# KiCad board AmigaPCI Mainboard.kicad_pcb (continued)
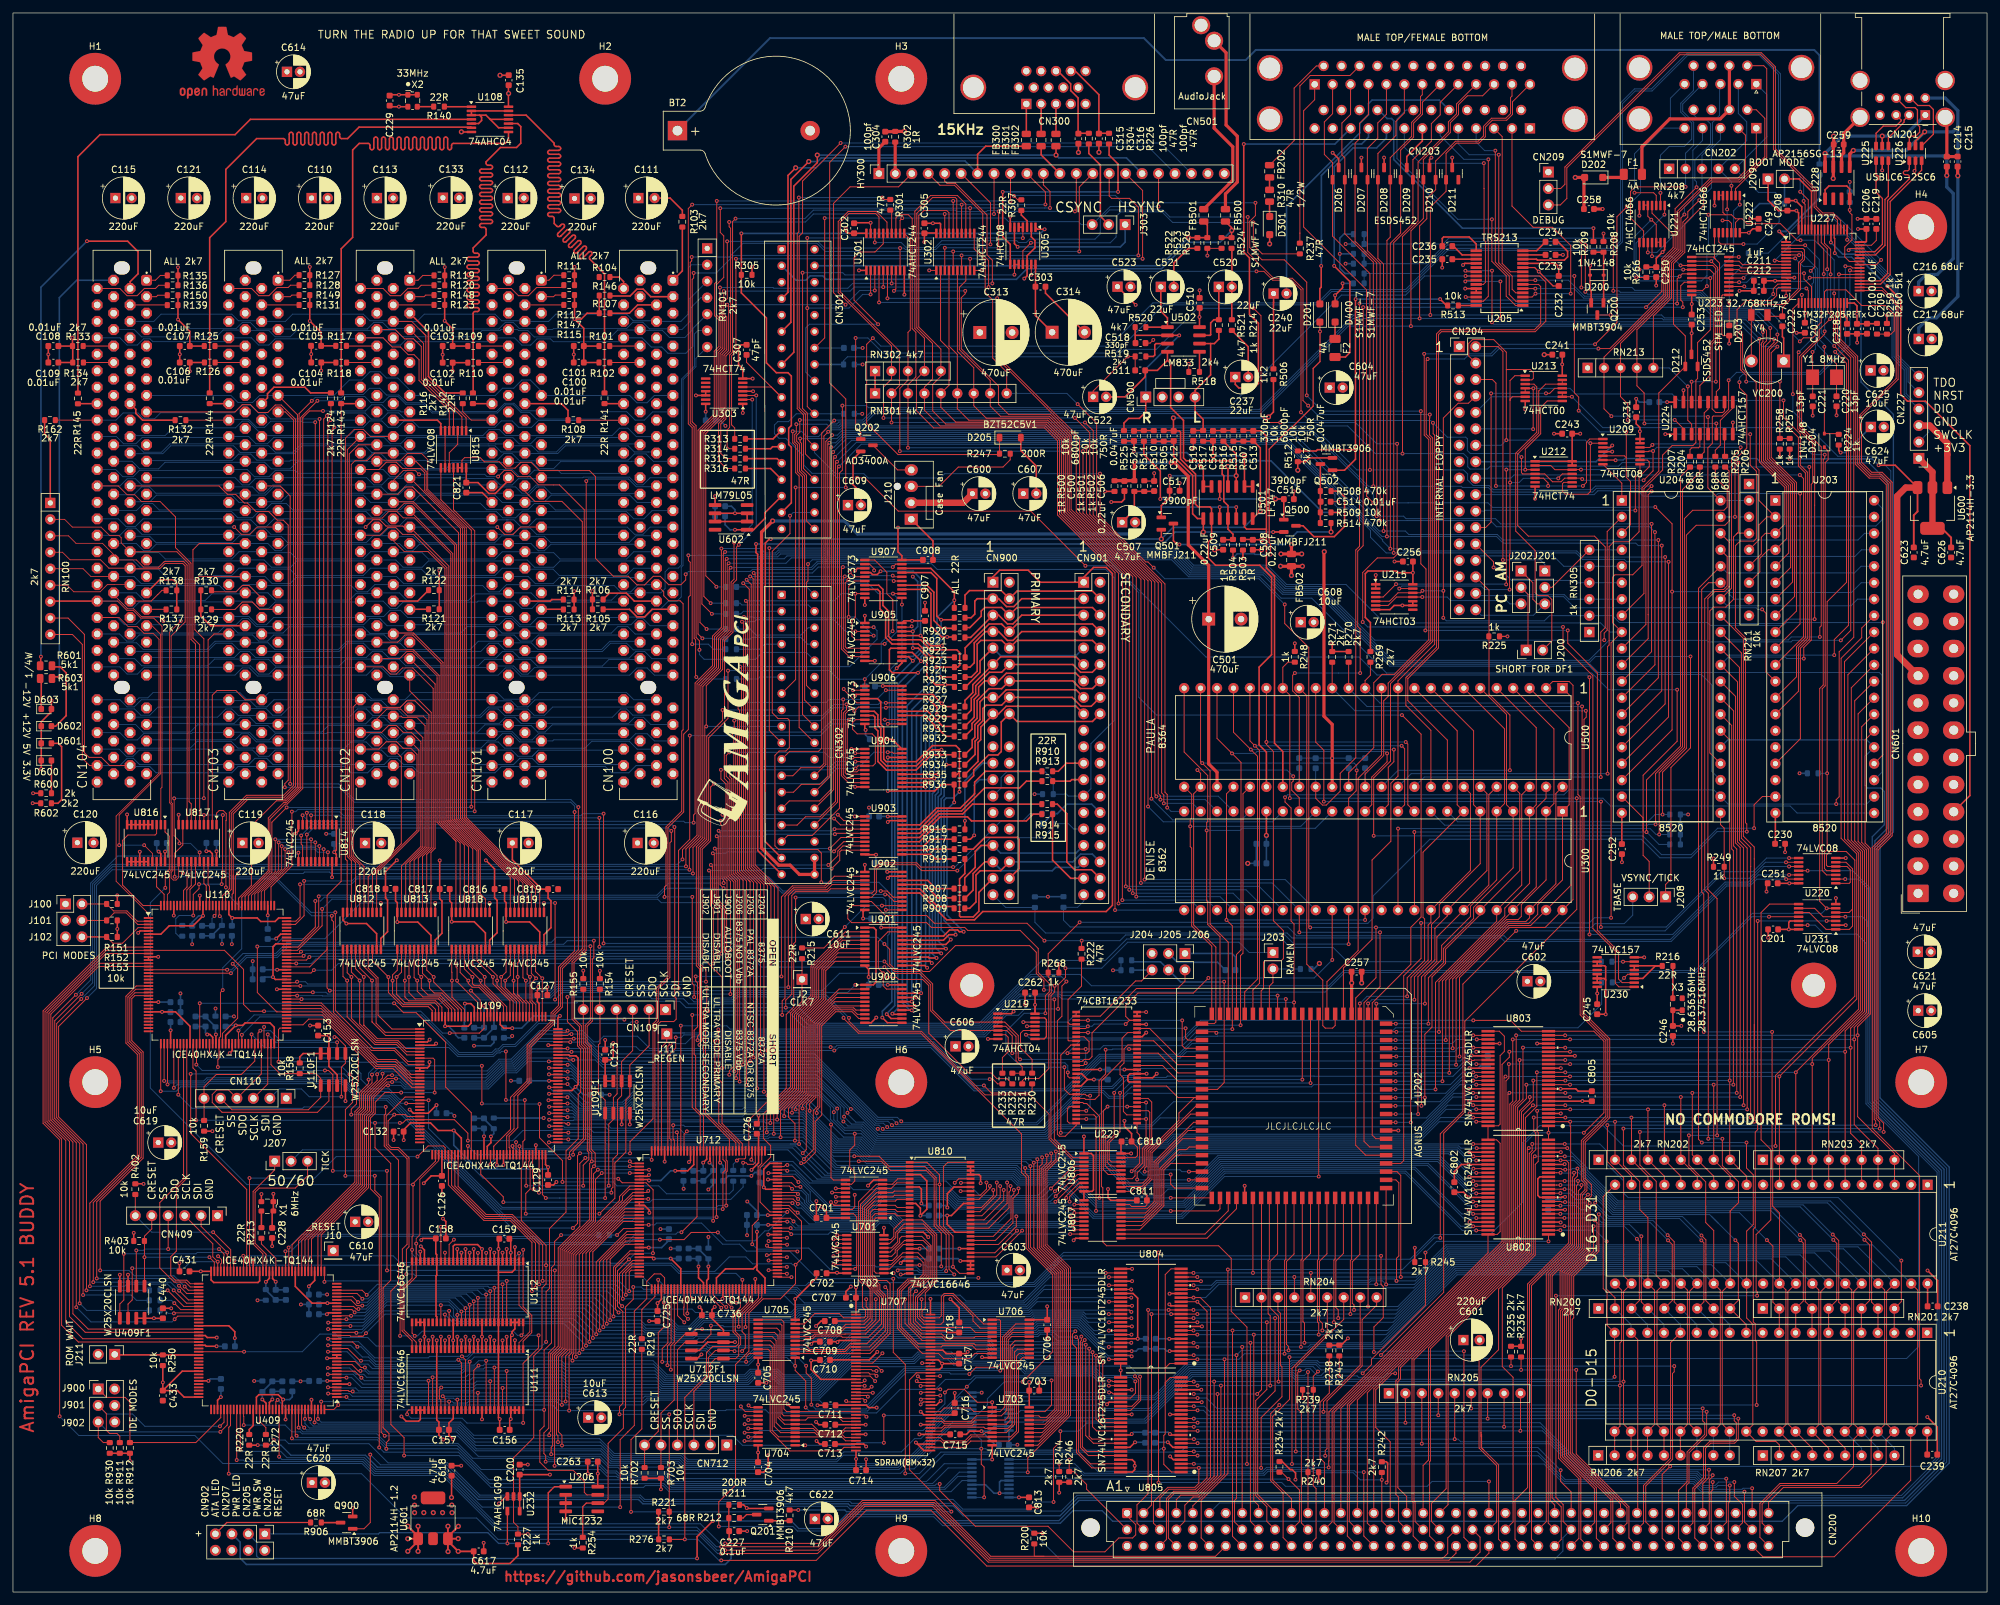
[diagram p0: board, top side]
## Routing (per net, layer and track width the routed paths; a pad name or vN(x,y) marks a point on that pad's centre or on a via; arc(x,y) is an arc through that point) (continued)
  Bottom w0.15: v1(183.62,128) 207.08,128 207.47,127.61 v1(207.47,126.87)
RGA5: length 86.7
  Top w0.15: U300.13 209.8,121.57 209.8,125.84 212.16,128.21 v1(212.16,129.5) ; U500.22 185.91,131.81 v1(188.22,129.5) 189.62,128.1 189.62,99.16 188.91,98.45 U202.29
  Bottom w0.15: v1(212.16,129.5) 211.88,129.79 192.07,129.79 191.78,129.5 188.22,129.5 v1(188.22,129.5)
RGA6: length 85.1
  Top w0.15: U500.21 188.45,132.77 v1(191.13,130.09) 192.15,129.06 192.15,94.64 190.18,92.67 U202.28 ; U300.12 212.35,121.58 212.35,127.36 213.21,128.22 v1(213.21,130.09)
  Bottom w0.15: v1(213.21,130.09) v1(191.13,130.09)
RGA7: length 84.7
  Top w0.15: U500.20 190.99,131.44 v1(191.75,130.68) 192.45,129.97 192.45,93.98 191.45,92.98 U202.27 ; U300.11 214.88,121.57 214.88,130.21 v1(214.41,130.68)
  Bottom w0.15: v1(214.41,130.68) v1(191.75,130.68)
RGA8: length 87.1
  Top w0.15: v1(215.05,131.26) 215.37,130.95 215.37,121.57 U300.10 ; U202.26 192.72,92.83 193.08,93.19 193.08,97.26 193.3,97.48 195.81,97.48 196.16,97.83 196.16,102.11 194.61,103.67 194.61,129.8 193.53,130.88 U500.19
  Bottom w0.15: v1(215.05,131.26) v1(193.53,131.26)
SIZ0: length 69.1
  Top w0.15: v1(208.57,18.52) 208.57,8.65 CN200.c16 ; R244.2 v1(161.54,19.82)
  Bottom w0.15: 153.79,19.81 161.54,19.81 v1(161.54,19.82) 163.93,19.82 165.4,18.34 193.06,18.34 193.66,18.95 200.83,18.95 201.06,18.72 207.13,18.72 207.33,18.52 v1(208.57,18.52)
SIZ1: length 90.4
  Top w0.15: R243.2 v1(204.78,33.38) ; v1(213.42,33.77) 212.96,33.77 210.41,31.23 210.41,25.43 212.65,23.19 CN200.a17
  Bottom w0.15: U808.18 159.06,26.25 159.06,26.25 159.22,26.4 174.81,26.4 182.02,33.62 197.58,33.62 198.04,33.15 202.32,33.15 202.55,33.38 v1(204.78,33.38) 207.55,33.38 207.77,33.15 211.58,33.15 212.2,33.77 v1(213.42,33.77)
TBASE: length 204.6
  Top w0.15: 251.69,117.53 251.69,119.56 U204.19 ; 251.69,117.53 251.69,113.76 252.63,112.82 J208.2 ; 251.69,117.53 251.69,126.12 256.95,131.38 v1(256.95,139.34) ; v1(122.75,158.74) 122.75,156.15 122.53,155.93 122.53,139.98 CN302.14
  Bottom w0.15: v1(256.95,139.34) 246.36,139.34 243.79,141.91 212.09,141.91 200.53,153.47 195.82,153.47 192.51,156.77 181.53,156.77 178.9,159.4 123.41,159.4 v1(122.75,158.74)
TICK50: length 19
  Top w0.15: U409.56 38.59,52.23 37.08,53.74 37.08,61.85 40.41,65.18 J207.1
TICK60: length 24.3
  Top w0.15: J207.3 45.49,64.27 43.6,62.38 38.03,62.38 37.38,61.73 37.38,53.86 39.09,52.15 U409.55
TM0: length 71.4
  Top w0.15: v1(199.95,33.98) CN200.a12
  Bottom w0.15: v1(199.95,33.98) 199.43,33.45 198.16,33.45 197.7,33.91 181.9,33.91 174.68,26.7 167.83,26.7 167.63,26.9 U808.17
TM1: length 78.9
  Top w0.15: v1(201.5,34.05) 200.77,33.32 200.77,16.41 201.2,15.98 201.2,8.36 CN200.c12
  Bottom w0.15: U808.14 167.65,28.85 168.15,28.35 175.48,28.35 181.65,34.51 197.44,34.51 197.74,34.81 200.73,34.81 v1(201.5,34.05)
TM2: length 77.2
  Top w0.15: CN200.a13 202.49,19.99 201.81,20.66 201.81,29.29 203.24,30.71 v1(203.24,35.41) R238.2
  Bottom w0.15: v1(203.24,35.41) 201.72,35.41 201.42,35.71 197.37,35.71 197.07,35.41 181.27,35.41 176.16,30.3 167.89,30.3 167.39,30.8 U808.11
TT0: length 123.3
  Top w0.15: v1(241.37,34.3) 241.37,21.31 249.51,13.17 249.51,8.35 CN200.c32 ; R236.2 v1(232.85,34.3)
  Bottom w0.15: v1(241.37,34.3) v1(232.85,34.3) 201.98,34.3 201.17,35.12 197.62,35.12 197.32,34.81 181.52,34.81 176.41,29.7 156.92,29.7 156.72,29.5 U808.13
TT1: length 134.2
  Top w0.15: CN200.b33 252.1,10.84 252.1,16.37 256.25,20.53 256.25,22.52 256.24,22.54 256.24,33.75 256.5,34.01 v1(256.5,34.89) ; R235.2 v1(231.3,34.89)
  Bottom w0.15: v1(256.5,34.89) v1(231.3,34.89) 201.82,34.89 201.29,35.41 197.49,35.41 197.19,35.12 181.4,35.12 176.28,30 167.77,30 167.62,30.15 U808.12
UDB0: length 39.4
  Top w0.15: U705.9 122.19,41.39 123.82,43.02 127.57,43.02 128.24,42.35 U707.2 131.42,42.35 131.63,42.56 131.63,43.52 131.16,43.99 131.16,47.58 130.57,48.17 130.57,60.26 133.28,62.97 U701.9 135.78,62.97 136.62,63.82 U810.5
UDB1: length 39.6
  Top w0.15: U810.6 136.45,63.19 135.59,62.32 U701.8 133.31,62.32 130.87,59.88 130.87,48.29 132.35,46.81 132.35,42.29 131.41,41.35 U707.4 128.61,41.35 127.68,40.42 122.64,40.42 122.31,40.75 U705.8
UDB2: length 39.1
  Top w0.15: U810.8 136.09,61.91 135.85,61.68 U701.7 133.31,61.68 131.17,59.53 131.17,48.42 132.65,46.94 132.65,41.93 131.57,40.85 U707.5 128.53,40.85 127.8,40.12 120.8,40.12
UDB3: length 40.1
  Top w0.15: U705.6 123.38,39.44 123.76,39.82 128.46,39.82 128.49,39.85 U707.7 131.63,39.85 133.8,42.02 133.8,45.46 132.95,46.31 132.95,47.06 131.47,48.54 131.47,59.31 133.19,61.02 U701.6 135.86,61.02 136.12,61.28 U810.9
UDB4: length 40.6
  Top w0.15: U705.5 122.04,38.8 122.39,39.14 123.5,39.14 123.88,39.52 127.89,39.52 128.06,39.35 U707.8 132.06,39.35 134.1,41.39 134.1,45.59 133.25,46.44 133.25,47.19 131.77,48.67 131.77,59.12 133.02,60.38 U701.5 136.25,60.38 136.51,60.64 U810.10
UDB5: length 41.2
  Top w0.15: 138.45,59.38 136.56,59.38 136.2,59.72 U701.4 132.8,59.72 132.07,59 132.07,48.79 133.55,47.31 133.55,46.56 134.4,45.71 134.4,40.91 131.84,38.35 U707.10 129.3,38.35 128.39,37.44 123.05,37.44 122.35,38.14 U705.4
UDB6: length 41.1
  Top w0.15: U810.13 136.54,58.74 136.2,59.07 U701.3 132.81,59.07 132.37,58.64 132.37,48.92 133.85,47.44 133.85,46.69 134.7,45.84 134.7,40.31 132.24,37.85 U707.11 129.22,37.85 128.51,37.14 122.53,37.14 122.18,37.5 U705.3
UDB7: length 42
  Top w0.15: 120.77,36.84 130.15,36.84 ; U707.13 132.34,36.85 135.43,39.94 135.43,47.59 134.92,48.1 133.61,48.1 132.67,49.04 132.67,57.97 133.12,58.43 U701.2 136.19,58.43 136.51,58.1 U810.14
UDB8: length 40.7
  Top w0.15: U706.2 149.88,41.39 145.17,46.1 143.78,46.1 143.34,45.66 143.34,42.65 143.04,42.35 U707.85 140.67,42.35 140.36,42.66 140.36,43.39 140.86,43.89 140.86,46.19 142.63,47.96 142.63,55.22 140.38,57.47 U810.15 137.42,57.47 136.01,56.06 136.01,54.88 135.57,54.44 U702.9
UDB9: length 42.7
  Top w0.15: U706.3 149.35,40.75 148.24,41.85 148.24,42.62 145.05,45.8 143.9,45.8 143.7,45.6 143.7,41.77 143.28,41.35 U707.83 140.68,41.35 139.66,42.37 139.66,45.41 142.33,48.08 142.33,55.1 140.59,56.83 U810.16 137.61,56.83 136.31,55.53 136.31,54.76 135.34,53.8 U702.8
UDB10: length 36.9
  Top w0.15: 134.47,53.14 135.67,53.14 136.61,54.08 136.61,55.41 137.4,56.2 U810.17 140.8,56.2 142.03,54.97 142.03,48.21 139.36,45.54 139.36,41.87 140.38,40.85 U707.82 147.85,40.85 148.61,40.09 U706.4
UDB11: length 36.9
  Top w0.15: U706.5 148.56,39.44 148.36,39.24 144,39.24 143.39,39.85 U707.80 140.3,39.85 138.61,41.54 138.61,46.85 138.91,47.15 140.3,47.15 141.73,48.58 141.73,53.52 140.32,54.93 U810.19 137.25,54.93 136.91,54.59 136.91,53.96 135.44,52.5 U702.6
UDB12: length 36.7
  Top w0.15: 134.47,51.84 135.67,51.84 136.22,52.4 136.22,52.85 137.67,54.3 140.53,54.3 141.43,53.4 141.43,48.71 140.17,47.45 138.79,47.45 138.31,46.97 138.31,41.42 140.38,39.35 U707.79 143.47,39.35 144.02,38.8 U706.6
UDB13: length 38.1
  Top w0.15: U702.4 135.79,51.19 136.52,51.93 136.52,52.72 137.46,53.66 U810.21 140.29,53.66 141.13,52.82 141.13,48.83 140.05,47.75 138.43,47.75 137.16,46.48 137.16,40.95 139.76,38.35 U707.77 148.39,38.35 148.6,38.14 U706.7
UDB14: length 36.5
  Top w0.15: U706.8 148.67,37.5 148.12,38.05 143.53,38.05 143.33,37.85 U707.76 139.84,37.85 136.86,40.83 136.86,46.6 138.31,48.05 139.92,48.05 140.83,48.96 140.83,51.31 139.75,52.39 U810.23 137.4,52.39 135.56,50.55 U702.3
UDB15: length 36.9
  Top w0.15: U702.2 135.36,49.89 137.21,51.75 139.68,51.75 140.53,50.91 140.53,49.08 139.8,48.35 138.18,48.35 136.56,46.72 136.56,40.7 140.41,36.85 U707.74 142.91,36.85 143.72,36.04 147.7,36.04 148.5,36.84 151.19,36.84
VCDAC: length 171.5
  Top w0.15: v1(149.91,78.22) 151.07,77.06 156.96,77.06 157.36,77.46 R230.1 ; v1(114.77,184.78) 114.76,184.78 U303.3 ; v1(112.07,161.71) 111.73,161.37 111.73,156.31 111.18,155.76 111.18,148.23 109.87,146.92 109.87,136.51 v1(109.57,136.21) 109.57,134.61 107.12,132.16 107.12,116.25 105.81,114.95 105.81,96.84 106.3,96.35 106.3,85.03 106,84.73 v1(106,84.49)
  Bottom w0.15: CN302.15 v1(109.57,136.21) ; v1(114.77,184.78) 114.77,164.41 v1(112.07,161.71) ; v1(106,84.49) 106.01,84.48 107.39,84.48 107.64,84.23 111.72,84.23 112.17,84.68 141.95,84.68 148.41,78.22 v1(149.91,78.22)
Vref: length 30.7
  Top w0.25: U501.10 v1(186.33,167.53) ; 176.15,169.97 173.14,169.97 173.14,167.08 C507.1 ; U501.12 v1(188.87,167.53)
  Bottom w0.25: C507.1 173.59,167.53 v1(186.33,167.53) v1(188.87,167.53)
XCLK: length 209.5
  Top w0.15: v1(217.38,182.35) 217.38,158.77 218.17,157.98 218.17,148.58 v1(218.07,148.49) ; v1(154.55,215.59) 155.14,214.99 R307.2 ; U230.2 248.46,94.1 247.9,94.66 247.9,98.92 244.64,102.18 244.64,141.93 240.06,146.51 v1(240.06,148.49) ; v1(191.83,214.53) 191.83,212.55 190.96,211.67 190.96,207.61 192.85,205.72 196.3,205.72 199.76,202.26 v1(199.76,184.79)
  Bottom w0.15: v1(217.38,182.35) 202.18,182.35 199.76,184.77 v1(199.76,184.79) ; v1(218.07,148.49) v1(240.06,148.49) ; v1(191.83,214.53) 171.35,214.53 170.22,215.66 154.62,215.66 v1(154.55,215.59)
Net-(BT2-+): length 201.4
  Bottom w0.3: BT2.1 116.89,239.96 174.61,239.96 178,236.57 190.34,236.57 191.9,238.13 278.11,238.13 278.94,237.3 R201.1
Net-(C237-Pad2): length 8.2
  Top w0.25: R214.2 190.72,192.3 C237.2
Net-(C315-Pad1): length 12.5
  Top w0.25: 164.46,225.26 164.46,230.71 163.31,231.86 163.31,232.89 161.34,234.86 ; R304.1 164.56,225.26
Net-(C316-Pad1): length 13.4
  Top w0.25: CN300.14 164.03,234.86 167.67,231.23 C316.1 ; R226.1 167.72,225.26
Net-(C515-Pad2): length 3.1
  Top w0.25: 188.44,179.35 185.33,179.35
Net-(C520-Pad1): length 10.1
  Top w0.25: C520.1 R521.2 185.42,196.47 184.93,195.98 184.93,194.16 184.82,194.05 183.2,194.05
Net-(C521-Pad1): length 10
  Top w0.25: C521.1 177.23,197.78 178.25,196.75 U502.1 174.93,195.32
Net-(C521-Pad2): length 8.3
  Top w0.25: R522.2 181.5,207.5 179.23,205.22 ; 179.24,201.55 179.24,205.23
Net-(C524-Pad2): length 3
  Top w0.25: R510.2 173.13,179.35
Net-(CN100-_PRSNT1): length 4.7
  Top w0.15: R101.1 CN100.B9
Net-(CN100-_PRSNT2): length 4.7
  Top w0.15: 92.14,189.86 CN100.B11
Net-(CN100-_TRST): length 8.8
  Top w0.25: R103.1 103.35,204.01 CN100.A1
Net-(CN100-TCK): length 3.5
  Top w0.25: R104.2 93.58,203.06 94.28,202.36 CN100.B2
Net-(CN101-_PRSNT1): length 4.6
  Top w0.15: R109.1 CN101.B9
Net-(CN101-_PRSNT2): length 4.6
  Top w0.15: 71.91,189.86 CN101.B11
Net-(CN101-_TRST): length 3.8
  Top w0.15: R111.1 83.53,203.34 82.75,202.56 CN101.A1
Net-(CN101-TCK): length 12.2
  Top w0.15: R112.2 84.69,201.45 80.86,201.45 79.59,200.18 78.05,200.18 76.94,201.29 CN101.B2
Net-(CN102-_PRSNT1): length 4.7
  Top w0.15: CN102.B9 51.48,192.41
Net-(CN102-_PRSNT2): length 4.7
  Top w0.15: CN102.B11 51.46,189.86
Net-(CN102-_TRST): length 4.1
  Top w0.15: R119.1 63.29,203.31 62.54,202.56 CN102.A1
Net-(CN102-TCK): length 12.5
  Top w0.15: R120.2 63.03,201.79 62.56,201.32 60.97,201.32 59.83,200.18 58.26,200.18 57.15,201.29 CN102.B2
Net-(CN103-_PRSNT1): length 4.7
  Top w0.15: R125.1 CN103.B9
Net-(CN103-_PRSNT2): length 4.6
  Top w0.15: R126.1 CN103.B11
Net-(CN103-_TRST): length 3.6
  Top w0.15: CN103.A1 42.75,202.56 43.54,203.35 R127.1
Net-(CN103-TCK): length 12
  Top w0.15: CN103.B2 36.83,201.29 37.94,200.18 39.52,200.18 40.79,201.45 42.5,201.45 42.85,201.8 R128.2
Net-(CN104-_PRSNT1): length 4.7
  Top w0.15: R133.1 CN104.B9
Net-(CN104-_PRSNT2): length 4.7
  Top w0.15: 10.87,189.86 CN104.B11
Net-(CN104-_TRST): length 3.5
  Top w0.15: CN104.A1 22.01,202.56 22.75,203.31 R135.1
Net-(CN104-TCK): length 12
  Top w0.15: R136.2 22.5,201.79 22.01,201.3 20.29,201.3 19.17,200.18 17.62,200.18 16.51,201.29 CN104.B2
Net-(CN203-Pad34): length 43.6
  Top w0.25: 206.41,191.39 205.73,190.71 F2.2 ; 206.42,191.41 206.42,202.36 v1(204,204.78)
  Bottom w0.25: CN203.34 212.06,224.51 210.55,223 206.92,223 204,220.08 v1(204,204.78)
Net-(CN300-Pad1): length 4.6
  Top w0.25: CN300.1 156.46,225.17
Net-(CN300-Pad2): length 4.6
  Top w0.25: CN300.2 158.75,225.17
Net-(CN300-Pad3): length 4.6
  Top w0.25: CN300.3 161.04,225.17
Net-(CN301-Pad23): length 6.1
  Top w0.25: R313.1 117.36,178.07 CN301.23
Net-(CN301-Pad25): length 5.7
  Top w0.25: CN301.25 117.29,176.86 116.98,176.55 R314.1
Net-(CN301-Pad27): length 5.9
  Top w0.25: CN301.27 117.99,175.02 R315.1
Net-(CN301-Pad29): length 6.3
  Top w0.25: CN301.29 116.98,173.49 R316.1
Net-(CN301-Pad33): length 96.9
  Top w0.25: v1(159.29,210.44) 158.2,210.44 U305.1 ; CN301.33 120.18,168.19 120.18,176.8 119.78,177.2 119.78,179.72 120.18,180.13 120.18,187.77 119.66,188.29 117.86,188.29 116.33,189.82 116.33,196.74 112.46,200.61 R305.1 112.46,209.78 v1(112.47,209.79)
  Bottom w0.25: v1(112.47,209.79) 158.65,209.79 v1(159.29,210.44)
Net-(CN302-Pad2): length 12.5
  Bottom w0.15: CN302.2 122.54,155.21 122.54,155.21 111.72,155.21
Net-(CN302-Pad3): length 7.1
  Bottom w0.15: R318.1 112.39,151.05 112.79,151.45 CN302.3
Net-(CN302-Pad4): length 12.6
  Bottom w0.15: R319.1 112.28,152.7 112.55,152.43 122.78,152.43 CN302.4
Net-(CN302-Pad6): length 12.9
  Bottom w0.15: CN302.6 122.79,148.91 121.66,147.78 114.73,147.78 113.8,148.71 113.79,148.7 R320.1
Net-(CN302-Pad7): length 7.3
  Bottom w0.15: R321.1 115.27,145.59 116.05,146.37 CN302.7
Net-(CN302-Pad8): length 12.6
  Bottom w0.15: R322.1 113.77,147.14 114.06,147.43 121.63,147.43 122.69,146.37 CN302.8
Net-(CN302-Pad10): length 13
  Bottom w0.15: CN302.10 122.49,145.1 115.69,145.1 114.62,144.03 R323.1
Net-(CN302-Pad11): length 7.1
  Bottom w0.15: CN302.11 115.33,141.29 115.03,140.99 R324.1
Net-(CN500-Pin_1): length 28.4
  Top w0.25: R520.1 173.27,192.91 ; 173.27,194.05 U502.2 180.06,194.05 v1(180.07,194.05) ; R525.2 171.54,180.52 172.25,181.23 173.91,181.23 174.91,182.23 CN500.1
  Bottom w0.25: v1(180.07,194.05) 174.91,188.89 CN500.1
Net-(CN500-Pin_4): length 21
  Top w0.25: 184.92,192.78 185.5,192.78 186.19,193.48 R521.1 ; 184.92,192.78 184.92,187.96 182.53,185.57 CN500.4 182.53,182.32 183.76,181.08 R517.2 182.29,179.36 ; 184.92,192.78 183.2,192.78
Net-(CN501-PadR): length 23.6
  Top w0.5: FB501.2 188.34,218.02 188.34,223.17 185.46,226.05 CN501.R
Net-(CN501-PadT): length 28.2
  Top w0.5: CN501.T 187.31,237.7 187.31,226.54 189.04,224.81 189.04,217.73 187.21,215.9 FB500.2
Net-(D200-K): length 9.3
  Top w0.25: 245.6,206.88 D200.1 245.6,199.15 ; R209.2 R208.1
Net-(D201-A): length 31
  Top w0.25: v1(201.99,204.77) 201.99,201.48 201.79,201.28 D201.2
  Bottom w0.25: CN203.35 209.29,224.66 208.23,223.6 206.88,223.6 202.02,218.74 202.02,204.8 v1(201.99,204.77)
Net-(D202-K): length 3.5
  Top w0.5: F1.1 248.23,218.44 D202.1
Net-(D203-K): length 12.4
  Top w0.15: v1(265.01,199.12) 264.99,199.1 D203.1
  Bottom w0.15: R267.1 267.95,205.69 265,202.74 265,199.13 v1(265.01,199.12)
Net-(D301-K): length 2.3
  Top w0.25: R310.2 194.02,212.43
Net-(D400-K): length 2.6
  Top w0.25: 204.13,196.09 F2.1
Net-(D600-A): length 5.1
  Top w0.25: D600.2 5.94,123.36
Net-(D601-A): length 11.8
  Top w0.25: R600.2 6.95,121.8 7.51,122.36 7.51,130.54 6.99,131.06 D601.2
Net-(D602-A): length 12.2
  Top w0.25: 5.94,142.86 7.29,142.86 8.21,141.94 8.21,135.36 8.23,135.34 6.6,133.71 D602.2
Net-(D603-K): length 4.9
  Top w0.25: D603.1 4.37,141.26
Net-(FB202-Pad1): length 1.9
  Top w0.25: FB202.1 R310.1
Net-(J211-A): length 12.9
  Top w0.25: U409.95 23.15,36.61 ; R250.1 15.79,36.62
Net-(J303-A): length 22.8
  Top w0.25: U305.6 154.63,208.22 v1(155.13,207.72)
  Bottom w0.25: v1(155.13,207.72) 170.99,207.72 171.72,208.45 J303.1
Net-(J303-C): length 13.7
  Top w0.25: J303.2 167.89,212.44 167.89,220.36 166.12,222.14 R304.2
Net-(JAGNUS1-Pin_1): length 10
  Bottom w0.25: C213.1 188.75,98.08 188.22,98.61 JAGNUS1.1
Net-(Q201-B): length 3.2
  Top w0.2: Q201.1 119.9,11.01
Net-(Q201-C): length 2.9
  Top w0.2: Q201.3 113.26,11.96 112.74,11.44 R211.2
Net-(Q500-G): length 15.9
  Top w0.25: R508.1 204.68,170.01 205.6,169.09 205.6,164.56 204.01,162.97 200.87,162.97 199.19,164.64 Q500.3
Net-(Q500-S): length 34.1
  Top w0.25: R511.2 174.61,175.65 177.15,173.11 v1(177.15,168.79) ; v2(194.93,168.79) 196.2,168.79 ; U501.5 v1(186.33,168.79) ; 196.22,165.59 196.22,168.76
  Bottom w0.25: v1(177.15,168.79) v2(194.93,168.79)
Net-(Q501-G): length 29.4
  Top w0.25: v1(180.11,161.76) 179.75,161.76 179.18,162.34 Q501.3 ; v2(203.51,163.7) 203.51,163.7 R514.1
  Bottom w0.25: v2(203.51,163.7) 198.29,163.7 196.36,161.76 v1(180.11,161.76)
Net-(Q501-S): length 25.1
  Top w0.25: U501.3 v2(188.87,172.38) 188.87,175.74 R516.2 ; Q501.1 177.3,167.75 178.58,169.03 178.58,172.35 v1(178.61,172.38)
  Bottom w0.25: v1(178.61,172.38) v2(188.87,172.38)
Net-(Q502-B): length 52.4
  Top w0.25: Q502.1 205.59,173.23 207.29,174.92 207.29,199.62 v1(207.31,199.65) ; 207.26,176.4 201.41,176.4 201.21,176.2 R512.2 ; 221.33,198.67 v1(220.35,199.65)
  Bottom w0.25: v1(220.35,199.65) v1(207.31,199.65)
Net-(Q502-C): length 9.1
  Top w0.25: R514.2 201.86,174.17
Net-(Q900-C): length 2.9
  Top w0.25: Q900.3 47.72,10.72
Net-(R141-Pad2): length 99.6
  Top w0.25: R141.2 91.34,203.56 89.08,205.82 arc(88.99,206.03) 89.08,206.24 89.33,206.49 arc(89.41,206.7) 89.33,206.92 arc(89.11,207) 88.9,206.92 87.98,205.99 arc(87.76,205.9) 87.55,205.99 arc(87.46,206.2) 87.55,206.42 88.48,207.34 arc(88.57,207.55) 88.48,207.77 arc(88.27,207.85) 88.05,207.77 87.13,206.84 arc(86.92,206.75) 86.7,206.84 arc(86.62,207.05) 86.7,207.26 87.63,208.19 arc(87.72,208.4) 87.63,208.61 arc(87.42,208.7) 87.21,208.61 86.28,207.69 arc(86.07,207.6) 85.86,207.69 arc(85.77,207.9) 85.86,208.11 86.78,209.04 arc(86.87,209.25) 86.78,209.46 arc(86.57,209.55) 86.36,209.46 85.43,208.54 arc(85.22,208.45) 85.01,208.54 arc(84.92,208.75) 85.01,208.96 85.93,209.89 arc(86.02,210.1) 85.93,210.31 arc(85.72,210.4) 85.51,210.31 84.58,209.39 arc(84.37,209.3) 84.16,209.39 arc(84.07,209.6) 84.16,209.81 85.08,210.74 arc(85.17,210.95) 85.08,211.16 arc(84.87,211.25) 84.66,211.16 84.41,210.91 arc(84.2,210.82) 83.99,210.91 83.57,211.33 83.57,212.12 arc(83.48,212.33) 83.27,212.42 82.87,212.42 arc(82.65,212.51) 82.57,212.72 arc(82.65,212.93) 82.87,213.02 84.27,213.02 arc(84.48,213.11) 84.57,213.32 arc(84.48,213.53) 84.27,213.62 82.87,213.62 arc(82.65,213.71) 82.57,213.92 arc(82.65,214.13) 82.87,214.22 84.27,214.22 arc(84.48,214.31) 84.57,214.52 arc(84.48,214.73) 84.27,214.82 82.87,214.82 arc(82.65,214.91) 82.57,215.12 arc(82.65,215.33) 82.87,215.42 84.27,215.42 arc(84.48,215.51) 84.57,215.72 arc(84.48,215.93) 84.27,216.02 82.87,216.02 arc(82.65,216.11) 82.57,216.32 arc(82.65,216.53) 82.87,216.62 84.27,216.62 arc(84.48,216.71) 84.57,216.92 arc(84.48,217.13) 84.27,217.22 82.87,217.22 arc(82.65,217.31) 82.57,217.52 arc(82.65,217.73) 82.87,217.82 84.27,217.82 arc(84.48,217.91) 84.57,218.12 arc(84.48,218.33) 84.27,218.42 82.87,218.42 arc(82.65,218.51) 82.57,218.72 arc(82.65,218.93) 82.87,219.02 84.27,219.02 arc(84.48,219.11) 84.57,219.32 arc(84.48,219.53) 84.27,219.62 82.87,219.62 arc(82.65,219.71) 82.57,219.92 arc(82.65,220.13) 82.87,220.22 84.27,220.22 arc(84.48,220.31) 84.57,220.52 arc(84.48,220.73) 84.27,220.82 82.87,220.82 arc(82.65,220.91) 82.57,221.12 arc(82.65,221.33) 82.87,221.42 84.27,221.42 arc(84.48,221.51) 84.57,221.72 arc(84.48,221.93) 84.27,222.02 82.87,222.02 arc(82.65,222.11) 82.57,222.32 arc(82.65,222.53) 82.87,222.62 84.27,222.62 arc(84.48,222.71) 84.57,222.92 arc(84.48,223.13) 84.27,223.22 83.87,223.22 arc(83.65,223.31) 83.57,223.52 83.57,223.72 79.23,228.06 U108.12
Net-(R142-Pad2): length 99.6
  Top w0.25: 71.05,185.2 71.05,197.44 arc(71.14,197.65) 71.35,197.74 71.7,197.74 arc(71.91,197.82) 72,198.04 arc(71.91,198.25) 71.7,198.34 70.4,198.34 arc(70.19,198.42) 70.1,198.64 arc(70.19,198.85) 70.4,198.94 71.7,198.94 arc(71.91,199.02) 72,199.24 arc(71.91,199.45) 71.7,199.54 70.4,199.54 arc(70.19,199.62) 70.1,199.84 arc(70.19,200.05) 70.4,200.14 71.7,200.14 arc(71.91,200.22) 72,200.44 arc(71.91,200.65) 71.7,200.74 70.4,200.74 arc(70.19,200.82) 70.1,201.04 arc(70.19,201.25) 70.4,201.34 71.7,201.34 arc(71.91,201.42) 72,201.64 arc(71.91,201.85) 71.7,201.94 70.4,201.94 arc(70.19,202.02) 70.1,202.24 arc(70.19,202.45) 70.4,202.54 71.7,202.54 arc(71.91,202.62) 72,202.84 arc(71.91,203.05) 71.7,203.14 70.4,203.14 arc(70.19,203.22) 70.1,203.44 arc(70.19,203.65) 70.4,203.74 71.7,203.74 arc(71.91,203.82) 72,204.04 arc(71.91,204.25) 71.7,204.34 70.4,204.34 arc(70.19,204.42) 70.1,204.64 arc(70.19,204.85) 70.4,204.94 71.7,204.94 arc(71.91,205.02) 72,205.24 arc(71.91,205.45) 71.7,205.54 70.4,205.54 arc(70.19,205.62) 70.1,205.84 arc(70.19,206.05) 70.4,206.14 71.7,206.14 arc(71.91,206.22) 72,206.44 arc(71.91,206.65) 71.7,206.74 71.35,206.74 arc(71.14,206.82) 71.05,207.04 71.05,207.55 73.05,209.55 73.05,210.42 arc(72.96,210.64) 72.75,210.72 72.35,210.72 arc(72.14,210.81) 72.05,211.02 arc(72.14,211.24) 72.35,211.32 73.75,211.32 arc(73.96,211.41) 74.05,211.62 arc(73.96,211.84) 73.75,211.92 72.35,211.92 arc(72.14,212.01) 72.05,212.22 arc(72.14,212.44) 72.35,212.52 73.75,212.52 arc(73.96,212.61) 74.05,212.82 arc(73.96,213.04) 73.75,213.12 72.35,213.12 arc(72.14,213.21) 72.05,213.42 arc(72.14,213.64) 72.35,213.72 73.75,213.72 arc(73.96,213.81) 74.05,214.02 arc(73.96,214.24) 73.75,214.32 72.35,214.32 arc(72.14,214.41) 72.05,214.62 arc(72.14,214.84) 72.35,214.92 73.75,214.92 arc(73.96,215.01) 74.05,215.22 arc(73.96,215.44) 73.75,215.52 72.35,215.52 arc(72.14,215.61) 72.05,215.82 arc(72.14,216.04) 72.35,216.12 73.75,216.12 arc(73.96,216.21) 74.05,216.42 arc(73.96,216.64) 73.75,216.72 72.35,216.72 arc(72.14,216.81) 72.05,217.02 arc(72.14,217.24) 72.35,217.32 73.75,217.32 arc(73.96,217.41) 74.05,217.62 arc(73.96,217.84) 73.75,217.92 72.35,217.92 arc(72.14,218.01) 72.05,218.22 arc(72.14,218.44) 72.35,218.52 73.75,218.52 arc(73.96,218.61) 74.05,218.82 arc(73.96,219.04) 73.75,219.12 72.35,219.12 arc(72.14,219.21) 72.05,219.42 arc(72.14,219.64) 72.35,219.72 73.75,219.72 arc(73.96,219.81) 74.05,220.02 arc(73.96,220.24) 73.75,220.32 73.35,220.32 arc(73.14,220.41) 73.05,220.62 73.05,220.85 75.26,223.06 77.75,223.06 78.41,223.72 78.41,226.29 77.94,226.76 U108.10
Net-(R143-Pad2): length 99.6
  Top w0.25: 50.68,185.17 50.68,207.42 52.45,209.19 52.45,222.68 53.47,223.7 54.82,223.7 arc(55.03,223.61) 55.12,223.4 55.12,223.02 arc(55.21,222.81) 55.42,222.72 arc(55.63,222.81) 55.72,223.02 55.72,224.38 arc(55.81,224.59) 56.02,224.68 arc(56.23,224.59) 56.32,224.38 56.32,223.02 arc(56.41,222.81) 56.62,222.72 arc(56.83,222.81) 56.92,223.02 56.92,224.38 arc(57.01,224.59) 57.22,224.68 arc(57.43,224.59) 57.52,224.38 57.52,223.02 arc(57.61,222.81) 57.82,222.72 arc(58.03,222.81) 58.12,223.02 58.12,224.38 arc(58.21,224.59) 58.42,224.68 arc(58.63,224.59) 58.72,224.38 58.72,223.02 arc(58.81,222.81) 59.02,222.72 arc(59.23,222.81) 59.32,223.02 59.32,224.38 arc(59.41,224.59) 59.62,224.68 arc(59.83,224.59) 59.92,224.38 59.92,223.02 arc(60.01,222.81) 60.22,222.72 arc(60.43,222.81) 60.52,223.02 60.52,224.38 arc(60.61,224.59) 60.82,224.68 arc(61.03,224.59) 61.12,224.38 61.12,223.02 arc(61.21,222.81) 61.42,222.72 arc(61.63,222.81) 61.72,223.02 61.72,224.38 arc(61.81,224.59) 62.02,224.68 arc(62.23,224.59) 62.32,224.38 62.32,223.02 arc(62.41,222.81) 62.62,222.72 arc(62.83,222.81) 62.92,223.02 62.92,224.38 arc(63.01,224.59) 63.22,224.68 arc(63.43,224.59) 63.52,224.38 63.52,223.02 arc(63.61,222.81) 63.82,222.72 arc(64.03,222.81) 64.12,223.02 64.12,224.38 arc(64.21,224.59) 64.42,224.68 arc(64.63,224.59) 64.72,224.38 64.72,223.02 arc(64.81,222.81) 65.02,222.72 arc(65.23,222.81) 65.32,223.02 65.32,224.38 arc(65.41,224.59) 65.62,224.68 arc(65.83,224.59) 65.92,224.38 65.92,223.02 arc(66.01,222.81) 66.22,222.72 arc(66.43,222.81) 66.52,223.02 66.52,224.38 arc(66.61,224.59) 66.82,224.68 arc(67.03,224.59) 67.12,224.38 67.12,223.02 arc(67.21,222.81) 67.42,222.72 arc(67.63,222.81) 67.72,223.02 67.72,223.4 arc(67.81,223.61) 68.02,223.7 76,223.7 76.51,224.21 U108.8
Net-(R144-Pad2): length 99.7
  Top w0.25: U108.6 70.69,226.21 53.43,226.21 51.66,224.43 50.75,224.43 arc(50.54,224.52) 50.45,224.73 50.45,225.11 arc(50.36,225.32) 50.15,225.41 arc(49.94,225.32) 49.85,225.11 49.85,223.76 arc(49.76,223.55) 49.55,223.46 arc(49.34,223.55) 49.25,223.76 49.25,225.11 arc(49.16,225.32) 48.95,225.41 arc(48.74,225.32) 48.65,225.11 48.65,223.76 arc(48.56,223.55) 48.35,223.46 arc(48.14,223.55) 48.05,223.76 48.05,225.11 arc(47.96,225.32) 47.75,225.41 arc(47.54,225.32) 47.45,225.11 47.45,223.76 arc(47.36,223.55) 47.15,223.46 arc(46.94,223.55) 46.85,223.76 46.85,225.11 arc(46.76,225.32) 46.55,225.41 arc(46.34,225.32) 46.25,225.11 46.25,223.76 arc(46.16,223.55) 45.95,223.46 arc(45.74,223.55) 45.65,223.76 45.65,225.11 arc(45.56,225.32) 45.35,225.41 arc(45.14,225.32) 45.05,225.11 45.05,223.76 arc(44.96,223.55) 44.75,223.46 arc(44.54,223.55) 44.45,223.76 44.45,225.11 arc(44.36,225.32) 44.15,225.41 arc(43.94,225.32) 43.85,225.11 43.85,223.76 arc(43.76,223.55) 43.55,223.46 arc(43.34,223.55) 43.25,223.76 43.25,225.11 arc(43.16,225.32) 42.95,225.41 arc(42.74,225.32) 42.65,225.11 42.65,223.76 arc(42.56,223.55) 42.35,223.46 arc(42.14,223.55) 42.05,223.76 42.05,224.13 arc(41.96,224.35) 41.75,224.43 37.62,224.43 32.87,219.68 32.87,211.63 30.38,209.14 R144.2
Net-(R145-Pad2): length 99.6
  Top w0.25: U108.4 36.66,227.41 34.29,225.04 13.43,225.04 10.03,221.64 R145.2
